# Altium PCB RPI Main Computer.PcbDoc (part 1 of 2) (continued)
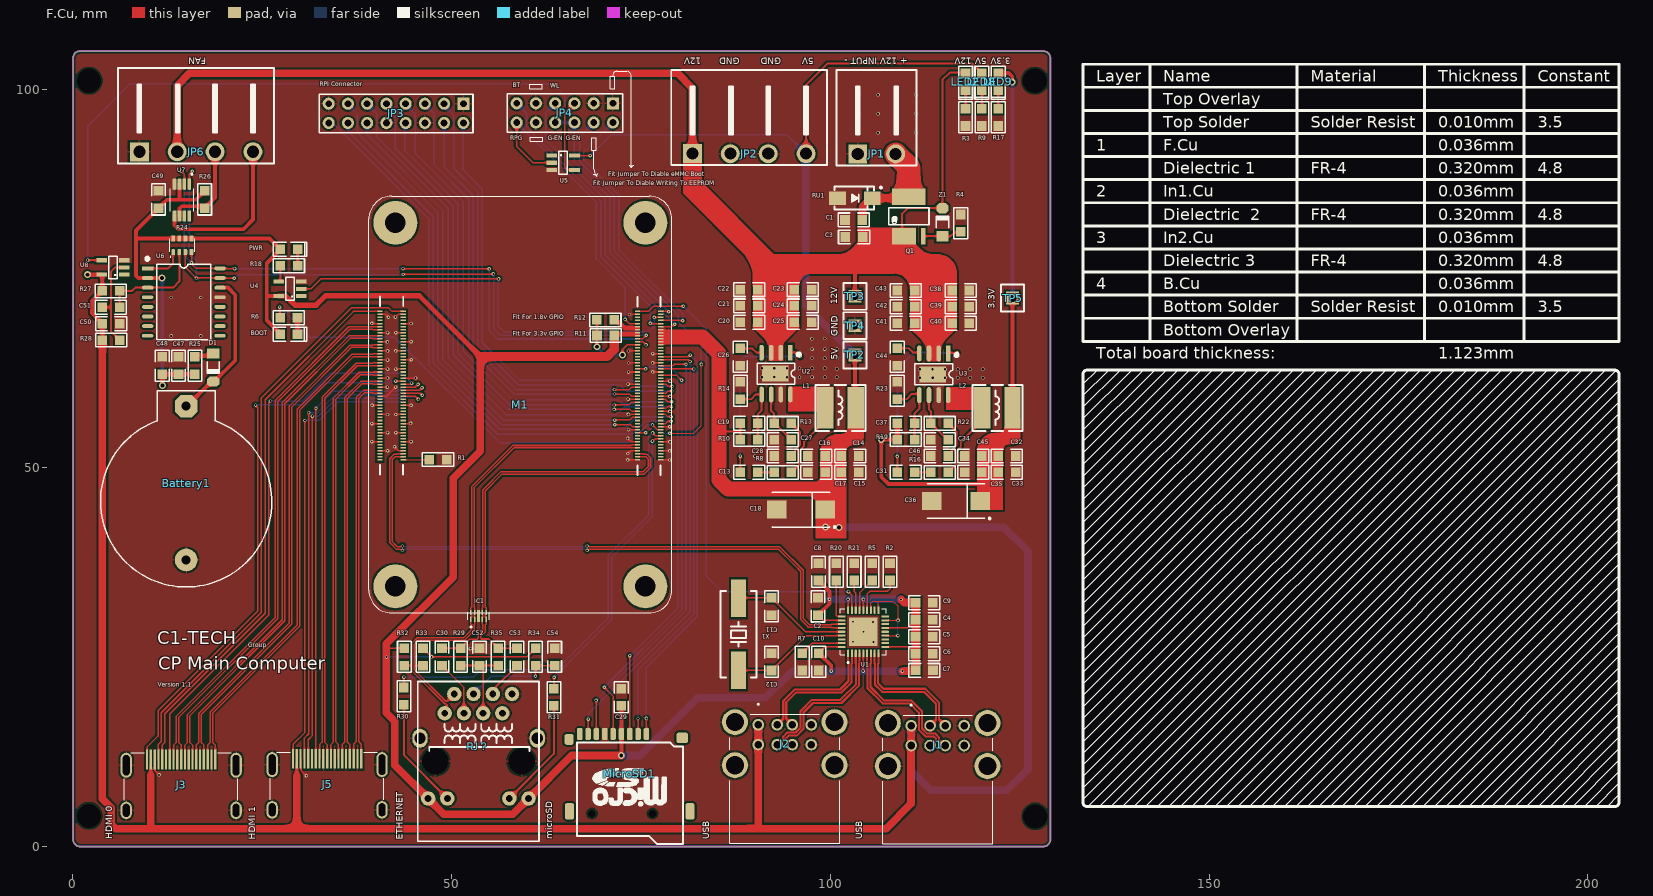
[diagram p0: F.Cu view]
## Footprints (in the part's own frame and the unit in brackets; to place one, negate y for a bottom-side part, rotate by r counter-clockwise, add the part's x,y. Pads: shape width x height; smd on the part's side, far side on the other; paste and mask are expansions set on the pad) (continued)
  round 5.8 hole 2.7: S1(-23.975,16.271) S2(24.025,16.271) S3(-23.975,-16.729) S4(24.025,-16.729)
  silkscreen extent -27.47,-20.23 27.53,19.77, body extent -27.46,-20.19 27.54,19.81, height 5.65
CR2032 [mm]
  oct 3x3 hole 1.2: 1(-10.151,0)
  round 3 hole 1.2: 2(10.152,0)
  silkscreen extent -12.19,-11.3 13.72,11.3, body extent -11.08,-11 13.42,11, height 8.5
DO-213AA [mm] "1.5*3.5mm(Ö±¾¶£¬½Å¾à£©"
  rect 1.37x1.62 smd: 1(-1.855,0)
  oct 1.37x1.62 smd: 2(1.855,0)
  silkscreen extent -0.76,-0.8 0.78,0.8, body extent -1.75,-0.75 1.75,0.75, height 1.53
HDMI-A [mm]
  rect 0.3x2.6 smd mask+0.051: 1(-4.5,0) 2(-4,0) 3(-3.5,0) 4(-3,0) 5(-2.5,0) 6(-2,0) 7(-1.5,0) 8(-1,0) 9(-0.5,0) 10(0,0) 11(0.5,0) 12(1,0) 13(1.5,0) 14(2,0) 15(2.5,0) 16(3,0) 17(3.5,0) 18(4,0) 19(4.5,0)
  rrect100% 1.5x3.3 hole 0.9 slot 2.7 at 90 deg mask+0.051: 20(-7.25,0.76) 21(7.25,0.76)
  rrect100% 1.5x2.3 hole 0.9 slot 1.7 at 90 deg mask+0.051: 22(-7.25,6.72) 23(7.25,6.72)
  silkscreen extent -7.5,-0.87 7.5,5.4, body extent -7.5,-0.87 7.5,11.27, height 6.2
HDR-6X2 [mm] "Ë«ï¿½ï¿½ï¿½ï¿½ï¿½ë£¬6x2ï¿½ï¿½"
  rect 1.6x1.6 hole 0.9: 1(0,0)
  round 1.6 hole 0.9: 2(0,2.54) 3(2.54,0) 4(2.54,2.54) 5(5.08,0) 6(5.08,2.54) 7(7.62,0) 8(7.62,2.54) 9(10.16,0) 10(10.16,2.54) 11(12.7,0) 12(12.7,2.54)
  silkscreen extent -1.27,-1.27 13.97,3.81, body extent -1.27,-1.27 13.97,3.81, height 8.5
HDR-8X2 [mm] "Ë«ï¿½ï¿½ï¿½ï¿½ï¿½ë£¬8x2ï¿½ï¿½"
  rect 1.6x1.6 hole 0.9: 1(0,0)
  round 1.6 hole 0.9: 2(0,2.54) 3(2.54,0) 4(2.54,2.54) 5(5.08,0) 6(5.08,2.54) 7(7.62,0) 8(7.62,2.54) 9(10.16,0) 10(10.16,2.54) 11(12.7,0) 12(12.7,2.54) 13(15.24,0) 14(15.24,2.54) 15(17.78,0) 16(17.78,2.54)
  silkscreen extent -1.27,-1.27 19.05,3.81, body extent -1.27,-1.27 19.05,3.81, height 8.5
KF2EDGK-2P_H_5.08 [mm] "ï¿½ï¿½Ç²ï¿½ï¿½Ê½ï¿½ï¿½ï¿½ï¿½"
  rect 2.5x2.5 hole 1.6: 1(0,0)
  round 2.5 hole 1.6: 2(5,0)
  silkscreen extent -2.79,-1.52 7.75,11.05, body extent -2.54,-0.5 7.54,10.8, height 8.5
KF2EDGK-4P_H_5.08 [mm] "ï¿½ï¿½Ç²ï¿½ï¿½Ê½ï¿½ï¿½ï¿½ï¿½"
  rect 2.5x2.5 hole 1.6: 1(0,0)
  round 2.5 hole 1.6: 2(5,0) 3(10,0) 4(15,0)
  silkscreen extent -2.79,-1.52 17.75,11.05, body extent -2.54,-0.5 17.54,10.8, height 8.5
"LED 0805R" [mil] "ï¿½ï¿½É«0805LED"
  rect 50x50 smd: 1(-45,0) 2(45,0)
  silkscreen extent -81,-36 92,36, body extent -39,-25 39,25, height 32
"micro SD Card" [mil]
  rrect50% 48x86 smd: 0(-226,402) 0(400,402)
  rrect50% 62x56 smd: 0(-186,20)
  round 30 hole 39.37 mask+0: 0(-31.5,413.39) 0(283.47,413.39)
  rrect50% 48x56 smd: 0(402,28)
  rrect50% 28x62 smd: 1(0,0) 2(43.31,0) 3(86.61,0) 4(129.92,0) 5(173.23,0) 6(216.54,0) 7(259.84,0) 8(303.15,0) 9(346.46,0)
  silkscreen extent -190,45 360,571, body extent -235,-27 407,572, height 79
"MINI_MELF (LL34)" [mm] "1.5*3.4mm(Ö±¾¶£¬½Å¾à£©"
  rect 1.37x1.62 smd: 1(-1.855,0)
  oct 1.37x1.62 smd: 2(1.855,0)
  silkscreen extent -0.76,-0.8 0.78,0.8, body extent -1.7,-0.75 1.7,0.75, height 1.5
MSOP-8 [mm]
  rrect50% 1.5x0.49 smd: 1(-2.077,0.948) 2(-2.077,0.298) 3(-2.077,-0.352) 4(-2.077,-1.002) 5(2.133,-1.002) 6(2.133,-0.352) 7(2.133,0.298) 8(2.133,0.948)
  silkscreen extent -3.47,-1.56 1.53,1.51, body extent -2.42,-1.53 2.48,1.47, height 1.1
QFN36 [mm]
  rrect25% 0.99x0.27 smd: 1(-2.819,2) 2(-2.819,1.5) 3(-2.819,1) 4(-2.819,0.5) 5(-2.819,0) 6(-2.819,-0.5) 7(-2.819,-1) 8(-2.819,-1.5) 9(-2.819,-2) 19(2.921,-2) 20(2.921,-1.5) 21(2.921,-1) 22(2.921,-0.5) 23(2.921,0) 24(2.921,0.5) 25(2.921,1) 26(2.921,1.5) 27(2.921,2)
  rrect25% 0.27x0.99 smd: 10(-1.949,-2.87) 11(-1.449,-2.87) 12(-0.949,-2.87) 13(-0.449,-2.87) 14(0.051,-2.87) 15(0.551,-2.87) 16(1.051,-2.87) 17(1.551,-2.87) 18(2.051,-2.87) 28(2.051,2.87) 29(1.551,2.87) 30(1.051,2.87) 31(0.551,2.87) 32(0.051,2.87) 33(-0.449,2.87) 34(-0.949,2.87) 35(-1.449,2.87) 36(-1.949,2.87)
  rect 3.8x3.8 smd paste-3: 37(0.051,0)
  silkscreen extent -4.11,-3.05 3.1,3.05, body extent -3.05,-3.1 3.15,3.1, height 0.9
"R 0805" [mm] "1/8Wï¿½ï¿½Æ¬ï¿½ï¿½ï¿½ï¿½"
  rect 1.27x1.27 smd: 1(-1.143,0) 2(1.143,0)
  silkscreen extent -2.05,-0.9 2.05,0.9, body extent -1,-0.62 1,0.63, height 0.5
"RA1206 (4x0603)" [mm]
  rrect50% 0.8x0.5 smd: 1(-0.9,1.2) 2(-0.9,0.4) 3(-0.9,-0.4) 4(-0.9,-1.2) 5(0.9,-1.2) 6(0.9,-0.4) 7(0.9,0.4) 8(0.9,1.2)
  silkscreen extent -1.55,-1.65 0.85,1.65, body extent -0.8,-1.6 0.8,1.6, height 0.5
RClamp0524P [mm]
  rect 0.675x0.2 smd: 1(-0.437,1.254) 2(-0.437,0.754) 4(-0.437,-0.246) 5(-0.437,-0.746) 6(0.438,-0.746) 7(0.438,-0.246) 9(0.438,0.754) 10(0.438,1.254)
  rect 1.55x0.4 smd: 3_8(0,0.254)
  silkscreen extent -1.54,-1.17 0.5,1.67, body extent -0.5,-1 0.5,1.5, height 0.65
RJ-45A12 [mil] "ï¿½ï¿½ï¿½ß½Ó¿ï¿½"
  oval 98.43x78.74 hole 59.06: 0(-312.99,567.32) 0(-312.99,-42.13)
  round 130 hole 137.8: 0(-192.91,485.83) 0(-192.91,35.83)
  round 75 hole 35.43: 1(-442.91,85.83) 2(-542.91,135.83) 3(-442.91,185.83) 4(-542.91,235.83) 5(-442.91,285.83) 6(-542.91,335.83) 7(-442.91,385.83) 8(-542.91,435.83) 9(0,0) 10(0,100) 11(0,421.65) 12(0,521.65)
  silkscreen extent -608,-54 222,576, body extent -605,-53 237,572, height 59
SMA [mm] "4.5x2.6*2.2mm£¨³¤¿í¸ß£¬²»°üÀ¨Òý½Å£©"
  rect 2.2x1.75 smd: 1(-2.3,0) 2(2.3,0)
  silkscreen extent -2.7,-1.52 3.56,1.52, body extent -2.53,-1.3 2.58,1.3, height 2.15
SOP8-E3 [mm]
  rect 3.15x2.2 smd mask+0: 1-3(-0.635,-2.6)
  rect 0.6x2.2 smd: 4(1.905,-2.6)
  rect 4.4x2.2 smd mask+0: 5-8(0,2.6)
  silkscreen extent -2.67,-1.07 2.67,1.14, body extent -2.46,-3.07 2.54,2.93, height 1.9
SOP8_M-EP [mm] "5*6*1.8mm£¨³¤¿í¸ß£©"
  rect 2.1x0.6 smd: 1(-2.75,1.905)
  oval 2.1x0.6 smd: 2(-2.75,0.635) 3(-2.75,-0.635) 4(-2.75,-1.905) 5(2.75,-1.905) 6(2.75,-0.635) 7(2.75,0.635) 8(2.75,1.905)
  rect 2.1x3.5 smd: 9(0.01,-0.113)
  silkscreen extent -2.69,-2.5 1.4,3.15, body extent -3,-2.5 3,2.5, height 1.9
SOP16W_L [mm] "10.3*10.3*2.6mm£¨³¤¿í¸ß£©"
  rect 1.5x0.5 smd: 1(-4.775,4.445)
  oval 1.5x0.5 smd: 2(-4.775,3.175) 3(-4.775,1.905) 4(-4.775,0.635) 5(-4.775,-0.635) 6(-4.775,-1.905) 7(-4.775,-3.175) 8(-4.775,-4.445) 9(4.775,-4.445) 10(4.775,-3.175) 11(4.775,-1.905) 12(4.775,-0.635) 13(4.775,0.635) 14(4.775,1.905) 15(4.775,3.175) 16(4.775,4.445)
  silkscreen extent -4.98,-4.95 3.56,5.87, body extent -5.15,-5.15 5.15,5.15, height 2.7
SOT23-5M [mm] "3x1.6x1.1mm(ï¿½ï¿½ï¿½ï¿½ï¿½)"
  rect 0.55x1.4 smd: 1(-0.95,-1.5) 2(0,-1.5) 3(0.95,-1.5) 4(0.95,1.5) 5(-0.95,1.5)
  silkscreen extent -1.5,-0.56 1.5,0.56, body extent -1.5,-1.4 1.5,1.4, height 1.15
TEST_POINT_40MIL_R [mm]
  rect 1.7x1.7 hole 1: 1(0,0)
  silkscreen extent -1.78,-1.52 1.78,1.52, body extent -1.67,-1.4 1.67,1.4, height 5.41
USB-A-4Port [mm]
  round 1.53 / inner round 1.53 / far side rect 1.53x1.53 hole 1.02: 1(-3.5,5.305)
  round 1.53 hole 1.02: 2(-1,5.305) 3(1,5.305) 4(3.5,5.305) 5(-3.5,2.685) 6(-1,2.685) 7(1,2.685) 8(3.5,2.685)
  round 3.416 hole 2.4: S1(-6.57,5.655) S2(6.57,5.655) S3(-6.57,-0.025) S4(6.57,-0.025)
  silkscreen extent -7.25,-10.31 7.25,8.11, body extent -7.9,-10.33 7.9,6.87, height 15.95
XTAL-HC49S-SMD [mm]
  rect 5x2 smd: 1(-4.75,0) 2(4.75,0)
  silkscreen extent -5.7,-2.4 5.7,2.4, body extent -6.7,-2.46 6.7,2.44, height 4

## Part data
Battery1: "Mini Battery"
BOOT PWR: library part LED-SMD, "Patch LED", BOM名称=贴片LED, 学习资源=www.ooocke.com, 版权归属=源创客
C1 C2 C3 C4 C5 C6 C7 C8 C9 C10 C11 C12 C13 C14 C15 C16 C17 C19 C20 C21 C22 C23 C24 C25 C26 C27 C28 C29 C30 C31 C32 C33 C34 C35 C37 C38 C39 C40 C41 C42 C43 C44 C45 C46 C47 C48 C49 C50 C51 C52 C53 C54: library part C, "Non-polar patch capacitor", BOM名称=无极性贴片电容, 学习资源=www.ooocke.com, 版权归属=源创客
C18 C36: library part C-CD, "Solid Tantalum Chip Capacitor, Standard T491 Series - Industrial Grade", PackageDocument=Mar-2001, Code_JEITA=3528-21, ComponentLink1Description="Manufacturer Link", ComponentLink1URL=http://www.kemet.com/, ComponentLink2Description=Datasheet, ComponentLink2URL=http://www.kemet.com/kemet/web/homepage/kechome.nsf/vapubfilesname/F3102TA.pdf/$file/F3102TA.pdf, DatasheetDocument=Mar-2001, LatestRevisionDate=19-Mar-2004, LatestRevisionNote="Silkscreen dimensions re-sized.", PackageReference=B, Published=17-Jul-2002, Publisher="Altium Limited"
D1: "High speed switching diode", BOM名称=高速开关二极管, 学习资源=www.ooocke.com, 版权归属=源创客
J3 J5: library part HDMI-A, "CONNECTOR, HDMI TYPE A, R/A, SMD", Manufacturer=MOLEX, Part Number=47151-0001
JP1: library part "Header 2", "2P Connector", BOM名称=2P接插件, 学习资源=www.ooocke.com, 版权归属=源创客
JP2 JP6: library part "Header 4", "4P Connector", BOM名称=4P接插件, 学习资源=www.ooocke.com, 版权归属=源创客
JP3: "8*2P Connector", BOM名称=8*2P接插件, 学习资源=www.ooocke.com, 版权归属=源创客
JP4: library part "Header  6X2", "6*2P Connector", BOM名称=6*2P接插件, 学习资源=www.ooocke.com, 版权归属=源创客
L1 L2: library part L-CD, "Chip power inductor", BOM名称=功率电感, 学习资源=www.ooocke.com, 版权归属=源创客
LED2 LED8 LED9: "Patch LED", BOM名称=贴片LED, 学习资源=www.ooocke.com, 版权归属=源创客
M1: library part CM4
MicroSD1: "MicroSD"
R1 R2 R3 R4 R5 R6 R7 R8 R9 R10 R11 R12 R13 R14 R16 R17 R18 R19 R20 R21 R22 R23 R25 R26 R27 R28 R29 R30 R31 R32 R33 R34 R35: library part R, "Chip resistor", BOM名称="Chip resistor", 学习资源=www.ooocke.com, 版权归属=源创客
R24: library part R-ARR, "4 way Chip Resistor Array"
RJ？: "Illuminated Ethernet interface", BOM名称=带灯以太网接口, 学习资源=www.ooocke.com, 版权归属=源创客
RU1: library part V, "Versiror"
U4 U5 U8: "Single 1.65-V to 5.5-V buffer with Schmitt-Trigger inputs"
U6: "Real time clock chip"
U7: "PWM Fan Controller"
X1: library part XTAL-2, "2-Pin crystal", BOM名称=2脚晶振, 学习资源=www.ooocke.com, 版权归属=源创客
Z1: "12V/0.5W voltage regulator", BOM名称=12V/0.5W稳压管, 学习资源=www.ooocke.com, 版权归属=源创客

## Free pads (board coordinates)
  round 1.524 hole 3.2: 13(2.159,4.064) 13(2.159,101.092) 13(127,101.092) 13(127.051,3.988)

## Via types
v1: diameter 0.45, hole 0.25, F.Cu to B.Cu, tented both sides, 147 vias
v2: diameter 0.45, hole 0.3, F.Cu to B.Cu, tented both sides, 52 vias
v3: diameter 0.9, hole 0.5, F.Cu to B.Cu, tented both sides, 10 vias

## Nets (pads, with @x,y where several pads share a name; then routed paths per layer and width w, separated by ;. In a path a pad name is that pad's centre, name@x,y a point inside that pad or via, vN(x,y) a via of type N, cw(c..) or ccw(c..) an arc to the next point about the centre after c; other vN are vias at no path point)
1.8V: 
1.8V_RPI: M1.88 M1.90 R12.2 | length 4.7
  F.Cu w0.2: R12.2@71.472,69.537 72.757,68.252 73.659,68.252 ; M1.88@74.56,68.252 73.659,68.252 ; M1.90@74.56,68.652 74.059,68.652 73.659,68.252
3.3V: C32.1 C33.1 C34.1 C35.1 C36.1 C37.1 L2.2 LED9.1 R19.2 TP5.1 | length 69
  F.Cu w0.254: TP5.1@123.698,72.39 TP5.1@124.047,72.041
  F.Cu w0.5: R19.2@108.645,53.742 108.643,53.744 v3(106.719,53.744) 106.719,48.813 107.679,47.853 120.413,47.853 ; R19.2@108.839,53.721 C37.1@108.839,55.88 ; LED9.1@122.174,102.108 123.559,102.108 123.951,101.716 123.951,100.986 v3(124.028,100.909) ; L2.2@124.047,57.912 TP5.1@124.047,72.041
  B.Cu w0.5: v3(124.028,100.909) 124.069,100.868 TP5.1@124.069,72.41
3.3V_RPI: BOOT.1 C2.1 C4.1 C5.1 C6.1 C7.1 C8.1 C9.1 C10.1 C29.1 C47.1 C48.2 C49.1 M1.84 M1.86 MicroSD1.4 PWR.1 R11.2 R24.5 R24.6 R24.7 R24.8 R25.1 R26.2 R32.2 R33.1 R34.1 RJ？.9 RJ？.12 U1.5 U1.10 U1.15 U1.23 U1.27 U1.29 U1.36 U4.5 U6.2 U7.3 | length 351
  F.Cu w0.127: U1.27@102.36,31.239 U1.27@102.361,31.238 ; v1@102.36,32.637 v1(102.359,32.638) ; U1.23@104.361,31.238 U1.23@104.365,31.241 ; v1@104.365,32.627 v1(104.368,32.631)
  F.Cu w0.2: 41.397,25.993 41.594,26.19 R32.2@43.776,26.19 ; R33.1@46.251,26.19 v1(47.386,25.055) 59.979,25.055 R34.1@61.114,26.19 ; R11.2@71.495,67.468 71.511,67.452 73.595,67.452 ; M1.84@74.56,67.452 73.595,67.452 ; M1.86@74.56,67.852 73.995,67.852 73.595,67.452 ; C2.1@98.382,30.56 99.074,29.868 U1.29@101.491,29.868 ; C10.1@98.487,25.544 99.311,26.368 U1.36@101.491,26.368 ; U1.27@102.36,31.239 v1@102.36,32.637 ; v1(104.339,23.181) 104.35,23.192 104.35,25.487 U1.5@104.361,25.498 ; U1.23@104.365,31.241 v1@104.365,32.627 ; U1.10@107.231,26.368 110.367,26.368 C6.1@111.253,25.482 ; U1.15@107.231,28.868 110.153,28.868 C4.1@111.253,29.968 C4.1@111.263,29.968
  F.Cu w0.5: 8.53,80.245 8.56,80.275 R24.8@13.278,80.275 R24.7@14.078,80.275 R24.6@14.878,80.275 R24.5@15.678,80.275 25.969,80.275 PWR.1@27.408,78.836 25.632,77.06 25.632,73.054 25.632,72.679 ; v3(11.798,75.051) 11.792,75.057 U6.2@9.906,75.057 8.667,75.057 8.374,75.35 8.374,81.321 C49.1@11.335,84.282 12.438,85.385 13.961,85.385 ; C48.2@11.805,62.362 11.83,62.336 11.83,60.899 v3(11.85,60.88) ; C48.2@11.811,62.357 C47.1@13.97,62.357 R25.1@16.129,62.357 ; U7.3@14.099,87.457 14.099,85.523 13.961,85.385 ; R26.2@17.431,86.568 16.248,85.385 13.961,85.385 ; U4.5@27.178,72.679 25.632,72.679 ; BOOT.1@27.184,67.887 27.16,67.887 27.006,68.041 27.006,68.065 25.632,69.439 25.632,72.679 ; C29.1@72.43,18.58 72.432,18.578 72.432,14.873 MicroSD1.4@72.434,14.871 v3@72.434,12.055 ; C2.1@98.382,30.56 99.882,32.06 99.882,33.696 C8.1@98.449,35.129 ; C10.1@98.487,25.544 100.124,23.907 v1(100.124,23.173) ; C7.1@111.162,23.174 C7.1@111.263,23.275 ; C9.1@111.253,32.211 C9.1@111.263,32.201
  F.Cu w0.7: U4.5@27.178,72.679 28.132,72.679 28.87,71.941 28.87,71.937 29.336,71.471 32.137,71.471 33.388,72.722 45.754,72.722 53.797,64.679
  F.Cu w1: 53.797,64.679 53.797,52.206 50.214,48.623 50.214,35.576 41.397,26.759 41.397,25.993 41.397,17.681 42.503,16.575 42.503,10.778 RJ？.9@46.923,6.358 48.996,4.285 58.1,4.285 RJ？.12@60.173,6.358 65.852,12.037 v3(72.416,12.037) ; v1(109.356,32.622) 109.767,32.211 C9.1@111.253,32.211 ; v1(109.509,23.174) C7.1@111.162,23.174 ; C7.1@111.263,23.275 111.263,29.968 C9.1@111.263,32.201
  F.Cu w1.2: 53.797,64.679 70.526,64.679 71.495,65.648 R11.2@71.495,67.468
  B.Cu w0.127: v1(102.359,32.638) v1@102.363,32.634 ; v1@104.365,32.634 v1(104.368,32.631)
  B.Cu w0.2: v1(41.425,25.025) 41.455,25.025 41.485,25.055 v1(47.386,25.055)
  B.Cu w0.5: v3(11.798,75.051) 11.824,75.025 11.824,60.906 v3(11.85,60.88) ; v1(99.882,32.652) v1@99.896,32.638 ; v1(104.339,23.181) v1@104.346,23.174 ; v1@109.347,32.631 v1(109.356,32.622)
  B.Cu w1: v3(72.416,12.037) 74.939,12.037 82.535,19.633 91.41,19.633 94.958,23.181 v1(104.339,23.181) ; v1@99.896,32.638 v1(102.359,32.638) ; v1@102.363,32.634 v1@104.365,32.634 ; v1@104.346,23.174 v1(109.509,23.174) ; v1(104.368,32.631) v1@109.347,32.631
5V: C14.1 C15.1 C16.1 C17.1 C18.1 C19.1 C50.1 J1.1 J1.5 J2.1 J2.5 J3.18 J5.18 JP2.4 L1.2 LED8.1 M1.77 M1.79 M1.81 M1.83 M1.85 M1.87 R10.2 R27.2 R28.1 TP2.1 U5.5 U8.5 | length 460.2
  F.Cu w0.2: U5.5@66.038,91.218 66.041,91.215 68.318,91.215 v1(68.321,91.218)
  F.Cu w0.254: 10.312,9.427 J3.18@10.312,11.598 ; 29.586,9.372 J5.18@29.586,11.405 ; 85.326,54.81 88.11,54.81 88.138,54.782 R10.2@88.138,53.721 ; 88.138,54.823 C19.1@88.138,55.88 ; JP2.4@96.807,91.473 96.807,100.553 99.614,103.36 118.781,103.36 118.974,103.167 118.974,103.149 120.009,102.114 LED8.1@120.271,102.114
  F.Cu w0.5: v3(1.957,75.502) 1.959,75.504 U8.5@3.834,75.504 U8.5@3.845,75.516 ; U8.5@3.908,75.479 R27.2@3.908,73.356 2.555,72.003 2.555,70.414 C50.1@3.932,69.037 R28.1@3.932,66.852 ; TP2.1@103.25,64.897 103.25,58.008 L1.2@103.346,57.912
  F.Cu w1: R28.1@3.935,66.852 3.935,6.314 5.095,5.154 5.095,2.975 5.681,2.389 29.586,2.389 ; 10.312,2.934 10.312,9.427 ; 29.586,9.372 29.586,2.389 ; J2.1@90.492,16.088 J2.5@90.492,13.468 90.492,2.62 90.261,2.389 ; J1.5@110.65,13.283 110.65,5.66 107.379,2.389 90.261,2.389 ; J1.5@110.673,13.353 J1.1@110.673,15.973 ; 29.586,2.389 90.261,2.389
  F.Cu w2: 78.31,67.291 83.117,67.291 85.325,65.083 85.325,48.387 86.497,47.215 97.859,47.215 99.134,45.94 99.134,44.687 C18.1@99.331,44.49 ; v3(99.385,42.186) 99.385,43.961 C18.1@99.543,44.119 ; C18.1@99.512,44.739 C18.1@100.073,44.178
  B.Cu w0.2: v1(68.321,91.218) 71.081,93.978 94.302,93.978 JP2.4@96.807,91.473
  B.Cu w1: J2.5@90.434,13.117 90.492,13.175 J2.5@90.492,13.468 J2.1@90.492,16.088 ; JP2.4@96.807,91.473 96.771,91.437 96.771,71.376 TP2.1@103.25,64.897 ; v3@99.447,42.124 v3(101.144,42.124) ; v3@101.144,42.154 122.913,42.154 126.102,38.965 126.102,10.242 123.281,7.421 113.266,7.421 110.673,10.014 J1.5@110.673,13.353 ; J1.5@110.673,13.597 J1.1@110.673,15.973
12V: C3.1 C20.1 C21.1 C22.1 C23.1 C24.1 C25.1 C38.1 C39.1 C40.1 C41.1 C42.1 C43.1 JP2.1 JP6.2 LED2.1 Q1.1-3 TP3.1 U2.2 U2.3 U3.2 U3.3 Z1.2 | length 125.7
  F.Cu w0.254: C3.1@104.267,80.391 104.364,80.488 109.631,80.488 Q1.1-3@109.728,80.585 109.479,80.834 109.479,83.556 110.201,84.278 Z1.2@114.808,84.278 114.808,101.204 115.771,102.167 LED2.1@117.752,102.167
  F.Cu w0.5: TP3.1@103.251,72.644 103.251,76.727 103.409,76.885
  F.Cu w1: JP6.2@13.799,91.717 13.799,100.454 15.403,102.058 79.873,102.058 81.807,100.124 JP2.1@81.807,91.473
AIN0: M1.96
AIN1: M1.94
BT_nDis: JP4.11 M1.91 | length 37.8
  F.Cu w0.2: v1(76.232,69.073) 76.253,69.052 M1.91@77.64,69.052
  B.Cu w0.2: JP4.11@58.611,98.115 59.907,96.819 59.907,94.975 61.232,93.65 69.725,85.157 69.725,77.869 76.232,71.362 v1(76.232,69.073)
DS3231-INT: C51.2 R24.2 R27.1 U6.3 | length 14.4
  F.Cu w0.254: C51.2@6.194,71.204 R27.1@6.194,73.356 7.834,73.356 8.265,73.787 U6.3@9.906,73.787 13.257,73.787 14.078,74.608 R24.2@14.078,78.475
DS3231-RST: U6.4
DS3231_32kHz: R24.1 U6.1 | length 4.9
  F.Cu w0.254: U6.1@9.906,76.327 12.622,76.327 13.241,76.946 R24.1@13.241,78.276
EEPROM_nWP: JP4.4 M1.20 | length 56.7
  F.Cu w0.15: M1.20@74.56,54.652 74.57,54.642 75.634,54.642 v1(75.644,54.632) ; v1(78.808,54.57) 81.967,54.57 82.984,55.587 v1(82.984,63.66)
  B.Cu w0.15: v1(75.644,54.632) 76.204,55.192 77.279,55.192 77.901,54.57 v1(78.808,54.57)
  B.Cu w0.2: JP4.4@68.771,95.575 66.934,93.738 66.934,90.417 71.476,85.875 71.476,78.627 79.961,70.142 79.961,69.229 82.984,66.206 v1(82.984,63.66)
ETH_LEDG: M1.17 R30.2 | length 59.7
  F.Cu w0.2: v1(43.714,22.387) 43.714,21.005 R30.2@43.716,21.003 ; v1(76.545,54.619) 76.553,54.619 76.92,54.252 M1.17@77.64,54.252
  B.Cu w0.2: v1(43.714,22.387) 52.952,22.387 53.937,23.372 63.872,23.372 70.677,30.177 70.677,38.417 76.052,43.792 76.052,54.126 v1(76.545,54.619)
ETH_LEDY: M1.15 R31.2 | length 39.3
  F.Cu w0.15: R31.2@63.517,20.866 63.542,20.891 v1(63.542,22.367) ; M1.15@77.636,53.847 M1.15@77.64,53.852
  F.Cu w0.2: v1(76.529,53.523) 76.597,53.523 76.925,53.852 M1.15@77.636,53.852
  B.Cu w0.2: v1(63.542,22.367) 71.187,30.012 71.187,38.218 76.532,43.563 76.532,53.52 v1(76.529,53.523)
GLOBAL_EN: JP4.6 JP4.8 M1.99 U8.4 | length 122.9
  F.Cu w0.2: M1.99@77.58,70.652 78.639,70.652 v1(78.68,70.611)
  F.Cu w0.254: v1(1.979,77.413) 1.983,77.409 3.829,77.409 U8.4@3.834,77.404
  B.Cu w0.2: v1(1.979,77.413) 1.979,95.101 7.584,100.706 63.442,100.706 64.925,99.223 64.925,95.591 64.941,95.575 ; JP4.8@63.691,95.575 64.941,95.575 ; JP4.6@66.231,95.434 66.231,90.366 70.87,85.727 70.87,78.421 v1(78.68,70.611) ; JP4.6@66.333,95.434 66.192,95.575 64.941,95.575
GND: Battery1.2 C1.2 C2.2 C3.2 C4.2 C5.2 C6.2 C7.2 C8.2 C9.2 C10.2 C11.2 C12.2 C14.2 C15.2 C16.2 C17.2 C18.2 C20.2 C21.2 C22.2 C23.2 C24.2 C25.2 C26.2 C27.2 C28.2 C29.2 C32.2 C33.2 C34.2 C35.2 C36.2 C38.2 C39.2 C40.2 C41.2 C42.2 C43.2 C44.2 C45.2 C46.2 C47.2 C48.1 C49.2 C50.2 C52.2 C54.2 IC1.3_8 J1.4 J1.8 J1.S1 J1.S2 J1.S3 J1.S4 J2.4 J2.8 J2.S1 J2.S2 J2.S3 J2.S4 J3.2 J3.5 J3.8 J3.11 J3.17 J3.20 J3.21 J3.22 J3.23 J5.2 J5.5 J5.8 J5.11 J5.17 J5.20 J5.21 J5.22 J5.23 JP1.1 JP2.2 JP2.3 JP3.1 JP3.6 JP3.10 JP3.15 JP4.1 JP4.3 JP4.9 JP4.10 JP6.1 M1.1 M1.2 M1.7 M1.8 M1.13 M1.14 M1.22 M1.23 M1.32 M1.33 M1.42 M1.43 M1.52 M1.53 M1.59 M1.60 M1.65 M1.66 M1.71 M1.74 M1.98 M1.107 M1.108 M1.113 M1.114 M1.119 M1.120 M1.125 M1.126 M1.131 M1.132 M1.137 M1.138 M1.144 M1.150 M1.155 M1.156 M1.161 M1.162 M1.167 M1.168 M1.173 M1.174 M1.179 M1.180 M1.185 M1.186 M1.191 M1.192 M1.197 M1.198 MicroSD1.6 R1.2 R2.1 R3.2 R4.1 R5.1 R7.1 R9.2 R14.1 R17.2 R20.1 R21.1 R23.1 RJ？.0 RJ？.8 RU1.1 TP4.1 U1.37 U2.7 U2.9 U3.7 U3.9 U4.3 U5.3 U6.13 U7.4 U8.3 | length 65
  F.Cu w0.15: v1(39.478,53.457) v1@39.481,53.454 ; M1.114@40.558,53.454 M1.114@40.56,53.452 ; M1.108@40.56,52.252 M1.108@40.564,52.255 ; M1.186@40.56,67.852 M1.186@40.564,67.855 ; v1@41.541,60.657 v1(41.546,60.662) ; v1@41.576,63.047 v1(41.581,63.042) ; v1@41.577,52.255 v1(41.581,52.259) ; v1@41.577,65.447 v1(41.581,65.443) ; v1@41.578,67.855 v1(41.581,67.858) ; v1(41.581,54.647) v1(41.581,54.647) ; v1@41.579,57.049 v1(41.581,57.047) ; v1(42.642,54.643) v1@42.646,54.647 ; v1(42.642,57.043) v1@42.646,57.047 ; v1(42.642,67.854) v1@42.643,67.853 ; M1.185@43.639,67.853 M1.185@43.64,67.852 ; M1.179@43.64,66.652 M1.179@43.642,66.65 ; v1@44.665,53.458 v1(44.671,53.464) ; v1@44.675,58.256 v1(44.679,58.26) ; v1@44.676,66.65 v1(44.678,66.648) ; M1.14@74.54,53.472 M1.14@74.56,53.452 ; M1.74@74.543,65.469 M1.74@74.56,65.452 ; M1.32@74.545,57.067 M1.32@74.56,57.052 ; M1.42@74.545,59.067 M1.42@74.56,59.052 ; M1.22@74.548,55.064 M1.22@74.56,55.052 ; M1.33@77.64,57.452 M1.33@77.642,57.453 ; v1@78.835,61.449 v1(78.838,61.446) ; v1@78.837,57.453 v1(78.838,57.454)
  F.Cu w0.2: J3.17@10.821,11.509 10.871,11.459 10.871,10.013 v1(11.411,9.473) ; J5.17@30.089,11.586 30.139,11.536 30.139,10.071 v1(30.846,9.364) ; v1(39.472,55.844) 39.48,55.852 M1.126@40.56,55.852 ; v1(39.478,69.068) 39.494,69.052 M1.192@40.56,69.052 ; v1@39.481,53.454 M1.114@40.558,53.454 ; v1(39.518,58.261) 39.527,58.252 M1.138@40.56,58.252 ; M1.120@40.56,54.652 v1@41.576,54.652 ; M1.132@40.56,57.052 v1@41.576,57.052 ; M1.144@40.56,59.452 41.439,59.452 v1(42.642,60.655) ; M1.150@40.56,60.652 v1@41.536,60.652 ; M1.156@40.56,61.852 41.565,61.852 v1(41.577,61.864) ; M1.162@40.56,63.052 v1@41.571,63.052 ; M1.168@40.56,64.252 41.542,64.252 v1(41.576,64.218) ; M1.174@40.56,65.452 v1@41.572,65.452 ; M1.180@40.56,66.652 41.53,66.652 v1(41.55,66.632) ; M1.198@40.56,70.252 41.294,70.252 v1(41.671,69.875) ; M1.108@40.564,52.255 v1@41.577,52.255 ; M1.186@40.564,67.855 v1@41.578,67.855 ; v1(42.49,52.787) 43.025,52.252 M1.107@43.64,52.252 ; v1(42.594,69.892) 42.617,69.892 42.977,70.252 M1.197@43.64,70.252 ; v1(42.642,63.033) 42.661,63.052 M1.161@43.64,63.052 ; v1@42.643,65.451 M1.173@43.471,65.451 ; v1@42.643,67.853 M1.185@43.639,67.853 ; v1@42.651,54.652 M1.119@43.64,54.652 ; v1@42.651,57.052 M1.131@43.64,57.052 ; M1.113@43.64,53.452 v1@44.659,53.452 ; M1.125@43.64,55.852 44.6,55.852 v1(44.616,55.868) ; M1.137@43.64,58.252 v1@44.671,58.252 ; M1.155@43.641,61.852 44.524,61.852 ; M1.167@43.64,64.252 44.667,64.252 v1(44.686,64.271) ; M1.191@43.641,69.052 v1(44.669,69.053) ; M1.179@43.642,66.65 v1@44.676,66.65 ; 44.524,61.851 45.267,61.851 v1(45.273,61.857) ; v1(52.492,26.145) 53.655,26.145 C52.2@53.7,26.19 ; v1(73.246,53.89) 73.684,53.452 M1.14@74.54,53.452 ; v1(73.266,51.053) 73.267,51.052 M1.2@74.56,51.052 ; v1(73.267,51.895) 73.296,51.895 73.653,52.252 M1.8@74.56,52.252 ; v1(73.317,59.066) 73.331,59.052 M1.42@74.545,59.052 ; v1(73.32,61.053) 73.321,61.052 M1.52@74.56,61.052 ; v1(73.349,57.05) v1(73.349,57.05) M1.32@74.545,57.052 ; v1(73.366,62.633) 73.385,62.652 M1.60@74.56,62.652 ; v1(73.366,63.835) 73.383,63.852 M1.66@74.56,63.852 ; v1(73.366,65.43) 73.388,65.452 M1.74@74.543,65.452 ; v1(73.368,55.047) 73.373,55.052 M1.22@74.548,55.052 ; v1(73.504,70.243) 73.513,70.252 M1.98@74.56,70.252 ; v1@76.561,63.852 M1.65@77.64,63.852 ; v1(76.567,65.071) 76.586,65.052 M1.71@77.64,65.052 ; v1(76.573,62.674) 76.595,62.652 M1.59@77.64,62.652 ; M1.1@77.64,51.052 78.804,51.052 v1(78.817,51.039) ; M1.7@77.64,52.252 78.809,52.252 v1(78.817,52.244) ; M1.13@77.64,53.452 78.821,53.452 v1(78.838,53.435) ; M1.23@77.64,55.452 78.797,55.452 v1(78.817,55.432) ; M1.43@77.64,59.452 78.811,59.452 v1(78.838,59.425) ; M1.53@77.64,61.452 v1@78.832,61.452 ; M1.33@77.642,57.453 v1@78.837,57.453
  other v1: 105.68,27.002 103.003,27.051 104.363,28.366 105.664,29.654 103.003,29.687 76.561,63.852 42.642,65.45
  other v2: 90.057,51.526 111.049,51.526 111.827,61.882 115.15,61.882 116.811,61.882 118.473,61.882 120.134,61.882 113.509,61.891 90.955,61.966 92.612,61.984 94.278,61.966 95.939,61.966 97.601,61.966 99.262,61.966 100.859,61.971 113.483,62.998 111.827,63.012 115.15,63.012 116.811,63.012 118.473,63.012 120.134,63.012 100.859,63.088 90.959,63.157 92.62,63.157 94.282,63.157 95.943,63.157 97.605,63.157 99.266,63.157 97.592,64.483 99.254,64.483 100.915,64.483 97.596,65.674 99.258,65.674 100.919,65.674 97.579,67.051 99.268,67.079 13.017,67.411 16.917,67.411 13.029,72.482 16.929,72.482 103.821,94.246 106.305,94.246 108.79,94.246 111.274,94.246 103.821,96.738 106.305,96.738 108.79,96.738 111.274,96.738 103.821,99.23 106.305,99.23 108.79,99.23 111.274,99.23
GND_F: 
GPIO2: M1.58
GPIO3: M1.56
GPIO4: M1.54